# Altium PCB PCB1.PcbDoc (part 1 of 2) (continued)
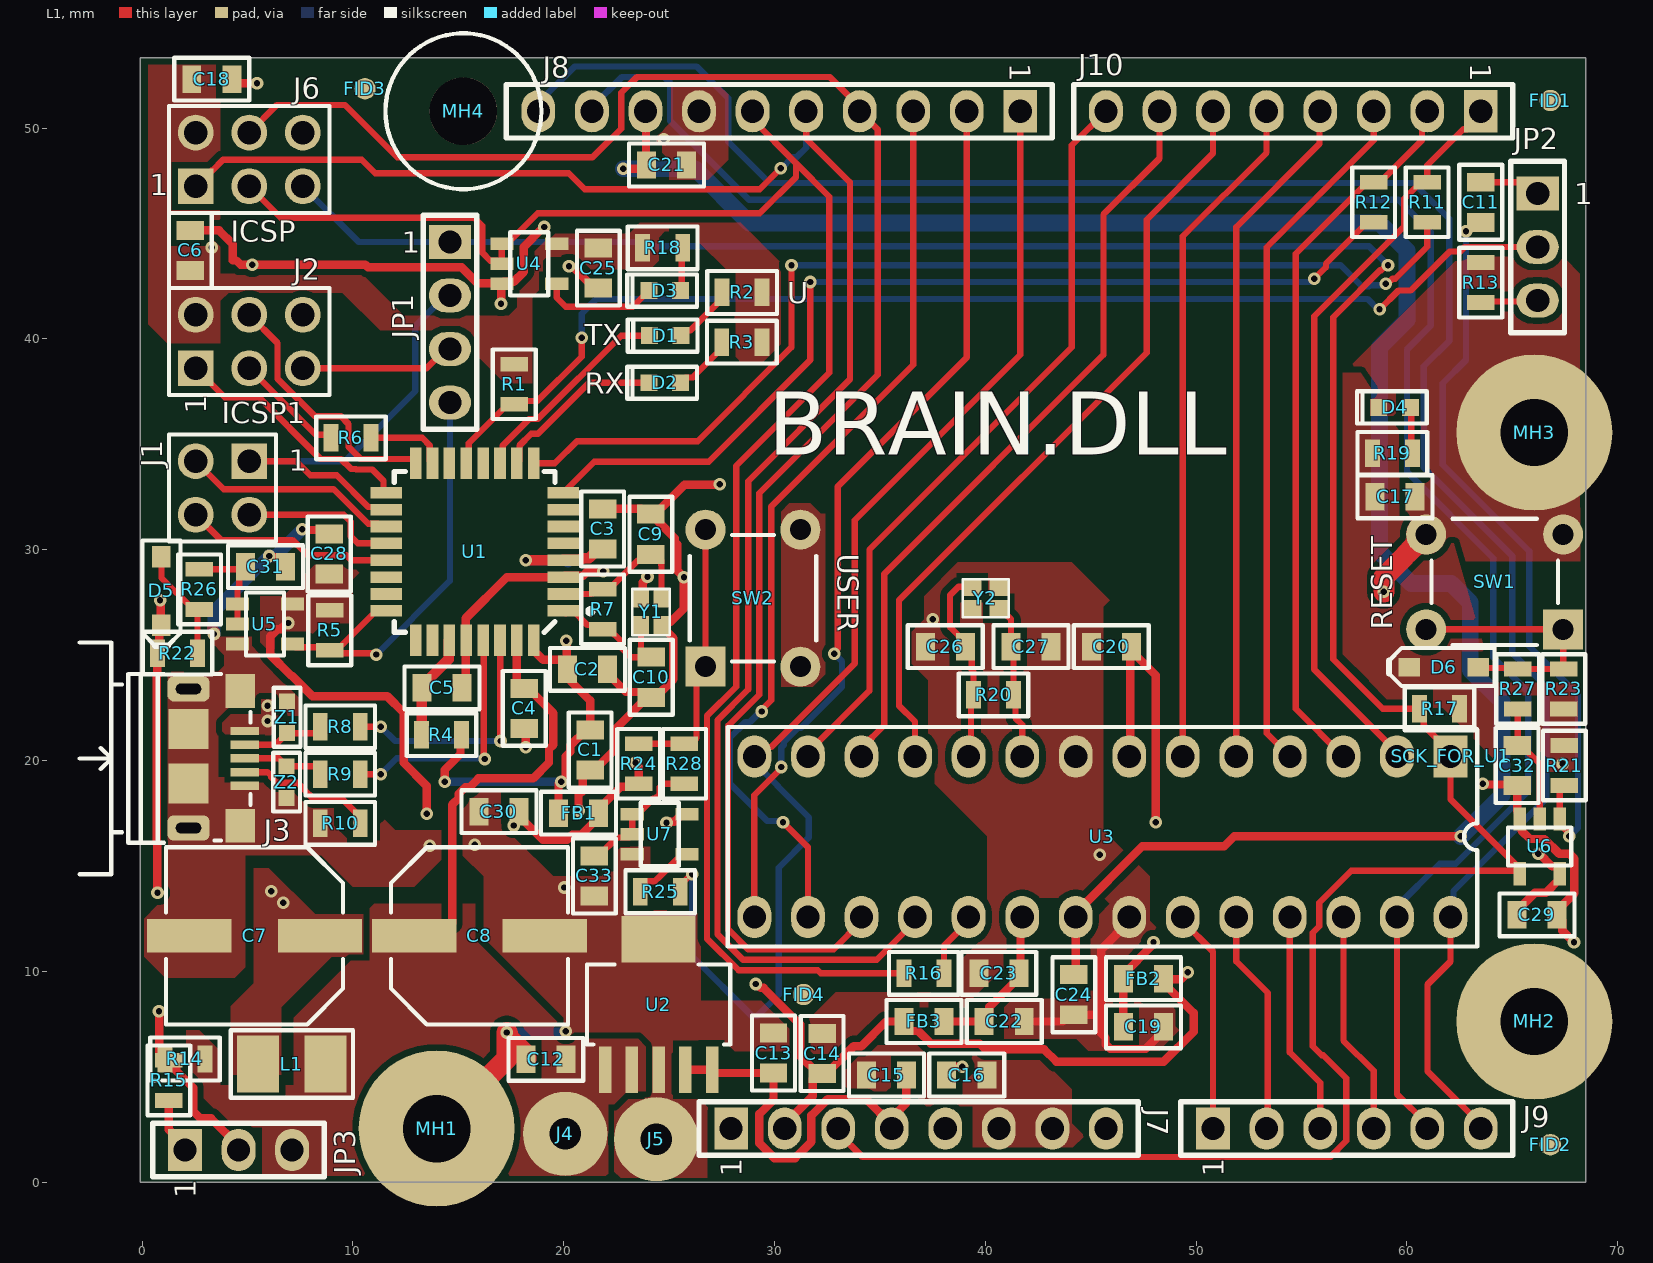
[diagram p0: L1 view]
## Part data (continued)
J2 J6: library part TSW-103-06-T-D, "SAMTEC         TSW-103-06-T-D             Board-To-Board Connector, Vertical, TSW Series, 6 Contacts, Header, 2.54 mm, Through Hole, 2 Rows", Color=Black, Manufacturer=Samtec, Max Current Rating=7.6A, Max Operating Temperature=105°C, Max Voltage Rating (AC)=550V, Min Operating Temperature=-55°C, Package Quantity=1, Supplier Part Number 1=TSW-103-06-T-D-ND, Category="Headers and Wire Housings", ComponentLink1Description=https://datasheet.ciiva.com/16722/htsw-th-16722934.pdf?src-supplier=Avnet+Europe, ComponentLink1URL=https://datasheet.ciiva.com/16722/htsw-th-16722934.pdf?src-supplier=Avnet+Europe, Connector Type="Male Pin", Contact Material=Bronze, Contact Mating Length=0.105inch, Contact Plating=Tin, Contact Type="Male Pin", Depth=5.08mm, Gender=Male, Housing Color=Black, Housing Material=Polyester, Lead Free="Lead Free", Length=7.62mm, Manufacturer Part Number=TSW-103-06-T-D, Mount="Through Hole", Number of Contacts=6, Number of Positions=6, Number of Rows=2, Orientation=Straight, Packaging=Bulk, Pitch=2.54mm, Pricing 1="1=0,50000, 10=0,42300, 100=0,32930, 500=0,28224, 1000=0,23520, 5000=0,20160, 10000=0,18816 (USD)", Radiation Hardening=No, REACH SVHC="No SVHC", RoHS=Yes, RoHS Compliant=Yes, Row Spacing=0.1inch, Series=TSW, Stock 1=1730, Supplier 1=Digi-Key, Termination=Solder, Width=5.08mm
J3: "CONN USB MICRO B RECPT SMT R/A", Manufacturer="Amphenol ICC / FCI", Supplier Part Number 1=609-4616-1-ND, Category="USB Connectors", ComponentLink1Description=http://components.arrow.com/part/dataview/0323_04107372?src-supplier=Arrow+Europe, ComponentLink1URL=http://components.arrow.com/part/dataview/0323_04107372?src-supplier=Arrow+Europe, ComponentLink2Description=http://uk.rs-online.com/webdocs/1450/0900766b814507f1.pdf?src-supplier=RSComponents, ComponentLink2URL=http://uk.rs-online.com/webdocs/1450/0900766b814507f1.pdf?src-supplier=RSComponents, ComponentLink3Description=https://cdn.amphenol-icc.com/media/wysiwyg/files/documentation/datasheet/inputoutput/io_usb_micro.pdf?src-supplier=Avnet, ComponentLink3URL=https://cdn.amphenol-icc.com/media/wysiwyg/files/documentation/datasheet/inputoutput/io_usb_micro.pdf?src-supplier=Avnet, ComponentLink4Description=https://cdn.amphenol-icc.com/media/wysiwyg/files/documentation/datasheet/inputoutput/io_usb_micro.pdf?src-supplier=Arrow+Electronics, ComponentLink4URL=https://cdn.amphenol-icc.com/media/wysiwyg/files/documentation/datasheet/inputoutput/io_usb_micro.pdf?src-supplier=Arrow+Electronics, ComponentLink5Description=https://cdn.amphenol-icc.com/media/wysiwyg/files/documentation/datasheet/inputoutput/io_usb_micro.pdf?src-supplier=Onlinecomponents.com, ComponentLink5URL=https://cdn.amphenol-icc.com/media/wysiwyg/files/documentation/datasheet/inputoutput/io_usb_micro.pdf?src-supplier=Onlinecomponents.com, ComponentLink6Description=https://cdn.amphenol-icc.com/media/wysiwyg/files/documentation/datasheet/inputoutput/io_usb_micro.pdf?src-supplier=Verical, ComponentLink6URL=https://cdn.amphenol-icc.com/media/wysiwyg/files/documentation/datasheet/inputoutput/io_usb_micro.pdf?src-supplier=Verical, ComponentLink7Description=http://www.amphenol-icc.com/media/wysiwyg/files/drawing/10118193.pdf?src-supplier=Digi-Key, ComponentLink7URL=http://www.amphenol-icc.com/media/wysiwyg/files/drawing/10118193.pdf?src-supplier=Digi-Key, ComponentLink8Description=https://cdn.amphenol-icc.com/media/wysiwyg/files/documentation/datasheet/inputoutput/io_usb_micro.pdf?src-supplier=Digi-Key, ComponentLink8URL=https://cdn.amphenol-icc.com/media/wysiwyg/files/documentation/datasheet/inputoutput/io_usb_micro.pdf?src-supplier=Digi-Key, ComponentLink9Description=https://cdn.amphenol-icc.com/media/wysiwyg/files/documentation/datasheet/inputoutput/io_usb_micro.pdf?src-supplier=Mouser, ComponentLink9URL=https://cdn.amphenol-icc.com/media/wysiwyg/files/documentation/datasheet/inputoutput/io_usb_micro.pdf?src-supplier=Mouser, ComponentLink10Description=https://cdn.amphenol-icc.com/media/wysiwyg/files/documentation/datasheet/inputoutput/io_usb_micro.pdf?src-supplier=Allied+Electronics, ComponentLink10URL=https://cdn.amphenol-icc.com/media/wysiwyg/files/documentation/datasheet/inputoutput/io_usb_micro.pdf?src-supplier=Allied+Electronics, ComponentLink11Description=https://cdn.amphenol-icc.com/media/wysiwyg/files/documentation/datasheet/inputoutput/io_usb_micro.pdf?src-supplier=RSComponents, ComponentLink11URL=https://cdn.amphenol-icc.com/media/wysiwyg/files/documentation/datasheet/inputoutput/io_usb_micro.pdf?src-supplier=RSComponents, ComponentLink12Description=https://cdn.amphenol-icc.com/media/wysiwyg/files/documentation/datasheet/inputoutput/io_usb_micro.pdf?src-supplier=TTI, ComponentLink12URL=https://cdn.amphenol-icc.com/media/wysiwyg/files/documentation/datasheet/inputoutput/io_usb_micro.pdf?src-supplier=TTI, ComponentLink13Description=https://cdn.amphenol-icc.com/media/wysiwyg/files/documentation/datasheet/inputoutput/io_usb_micro.pdf?src-supplier=TME, ComponentLink13URL=https://cdn.amphenol-icc.com/media/wysiwyg/files/documentation/datasheet/inputoutput/io_usb_micro.pdf?src-supplier=TME, ComponentLink14Description=https://cdn.amphenol-icc.com/media/wysiwyg/files/documentation/datasheet/inputoutput/io_usb_micro.pdf?src-supplier=Heilind+Electronics, ComponentLink14URL=https://cdn.amphenol-icc.com/media/wysiwyg/files/documentation/datasheet/inputoutput/io_usb_micro.pdf?src-supplier=Heilind+Electronics, Manufacturer Part Number=10118193-0001LF, Pricing 1="1=0,45000, 10=0,39700, 25=0,36240, 50=0,34120, 100=0,32700, 250=0,29856, 500=0,28434 (USD)", RoHS=No, Stock 1=217493, Supplier 1=Digi-Key
J4 J5: library part PAD_WITH_HOLE_4MMX1.5MM, "Pad with a hole 4mm x 1.5mm"
J7 J10: library part PPTC081LFBN-RC, "CONN HDR 8POS 0.1 TIN PCB", Color=Black, Manufacturer=Sullins, Package Quantity=1000, Supplier Part Number 1=S7006-ND, Category=Connectors, ComponentLink1Description=https://media.digikey.com/pdf/Data%20Sheets/Sullins%20PDFs/Female_Headers.100_DS.pdf?src-supplier=Digi-Key, ComponentLink1URL=https://media.digikey.com/pdf/Data%20Sheets/Sullins%20PDFs/Female_Headers.100_DS.pdf?src-supplier=Digi-Key, ComponentLink2Description=http://www.sullinscorp.com/catalogs/78_Page80-81_HEADER_.100_2.54mm_FEMALE.pdf?src-supplier=Future+Electronics, ComponentLink2URL=http://www.sullinscorp.com/catalogs/78_Page80-81_HEADER_.100_2.54mm_FEMALE.pdf?src-supplier=Future+Electronics, Connector Type=Header, Contact Material=Bronze, Contact Plating=Tin, Contact Type="Female Socket", Height=8.5mm, Housing Material=Plastic, Lead Free="Lead Free", Length=20.8mm, Manufacturer Part Number=PPTC081LFBN-RC, Mount="Through Hole", Number of Positions=8, Number of Rows=1, Packaging=Bulk, Pitch=0.1inch, Pricing 1="1=0,65000, 10=0,56500, 400=0,42525, 800=0,36450, 1200=0,33413, 5200=0,29363, 10000=0,29250 (USD)", RoHS=Yes, RoHS Compliant=Yes, Stock 1=76748, Supplier 1=Digi-Key, Termination=Solder, Width=2.5mm
J8: library part PPPC101LFBN-RC, "CONN HDR 10POS 0.1 GOLD PCB", Color=Black, Manufacturer=Sullins, Package Quantity=1000, Supplier Part Number 1=S7043-ND, Category=Connectors, ComponentLink1Description=https://media.digikey.com/pdf/Data%20Sheets/Sullins%20PDFs/Female_Headers.100_DS.pdf?src-supplier=Digi-Key, ComponentLink1URL=https://media.digikey.com/pdf/Data%20Sheets/Sullins%20PDFs/Female_Headers.100_DS.pdf?src-supplier=Digi-Key, ComponentLink2Description=http://www.sullinscorp.com/catalogs/78_Page80-81_HEADER_.100_2.54mm_FEMALE.pdf?src-supplier=Future+Electronics, ComponentLink2URL=http://www.sullinscorp.com/catalogs/78_Page80-81_HEADER_.100_2.54mm_FEMALE.pdf?src-supplier=Future+Electronics, Connector Type=Header,Socket, Contact Material=Bronze, Contact Plating=Gold, Height=8.5mm, Housing Material=Plastic, Lead Free="Lead Free", Length=25.9mm, Manufacturer Part Number=PPPC101LFBN-RC, Mount="Through Hole", Number of Positions=10, Number of Rows=1, Packaging=Bulk, Pitch=0.1inch, Pricing 1="1=0,68000, 10=0,57100, 80=0,51288, 440=0,41959, 1000=0,37296, 5000=0,33670 (USD)", RoHS=Yes, Stock 1=33225, Supplier 1=Digi-Key, Termination=Solder, Width=2.5mm
J9: library part PPPC061LFBN-RC, "CONN HDR 6POS 0.1 GOLD PCB", Color=Black, Manufacturer=Sullins, Package Quantity=1000, Supplier Part Number 1=S7039-ND, Category=Connectors, ComponentLink1Description=https://media.digikey.com/pdf/Data%20Sheets/Sullins%20PDFs/Female_Headers.100_DS.pdf?src-supplier=Digi-Key, ComponentLink1URL=https://media.digikey.com/pdf/Data%20Sheets/Sullins%20PDFs/Female_Headers.100_DS.pdf?src-supplier=Digi-Key, Connector Type=Header,Socket, Contact Material=Bronze, Contact Plating=Gold, Height=8.5mm, Housing Material=Plastic, Lead Free="Lead Free", Length=15.7mm, Manufacturer Part Number=PPPC061LFBN-RC, Mount="Through Hole", Number of Positions=6, Number of Rows=1, Packaging=Bulk, Pitch=0.1inch, Pricing 1="1=0,53000, 10=0,46500, 80=0,38300, 440=0,33300, 1000=0,27472, 5000=0,24142, 10000=0,24050 (USD)", RoHS=Yes, Stock 1=33601, Supplier 1=Digi-Key, Termination=Solder, Width=2.5mm
JP1: library part 68002-204HLF, "CONN HEADER 4POS .100 STR 15AU", Color=Black, Current Rating=3A, Manufacturer="Amphenol ICC / FCI", Max Operating Temperature=125°C, Max Voltage Rating (AC)=1.5kV, Min Operating Temperature=-65°C, Package Quantity=100, Supplier Part Number 1=609-3298-ND, Insulation Resistance=5GR, Category="Headers and Wire Housings", ComponentLink1Description=https://datasheet.ciiva.com/5163/68000-274406-5163449.pdf?src-supplier=Mouser, ComponentLink1URL=https://datasheet.ciiva.com/5163/68000-274406-5163449.pdf?src-supplier=Mouser, ComponentLink2Description=https://datasheet.ciiva.com/728/68000-728887.pdf?src-supplier=Digi-Key, ComponentLink2URL=https://datasheet.ciiva.com/728/68000-728887.pdf?src-supplier=Digi-Key, ComponentLink3Description=https://datasheet.ciiva.com/10149/68000-10149881.pdf?src-supplier=Avnet, ComponentLink3URL=https://datasheet.ciiva.com/10149/68000-10149881.pdf?src-supplier=Avnet, Connector Type="Male Pin", Contact Gender=Male, Contact Material=Bronze, Contact Mating Length=0.23inch, Contact Plating=Gold,GXT, Contact Post Length=3.81mm, Contact Type="Male Pin", Depth=2.41mm, Gender=Male, Housing Color=Black, Housing Material=Thermoplastic, Length=10.16mm, Manufacturer Part Number=68002-204HLF, Mount="Through Hole", Number of Contacts=4, Number of Positions=4, Number of Rows=1, Orientation=Straight, Packaging=Bulk, Pitch=2.54mm, Pricing 1="1=0,38000, 10=0,32200, 100=0,25080, 500=0,21498, 1000=0,17916, 5000=0,15356, 10000=0,14333 (USD)", Radiation Hardening=No, RoHS=Yes, RoHS Compliant=Yes, Series="BERGSTIK® II, MezzSelect™, Basics+", Stock 1=1822, Supplier 1=Digi-Key, Termination=Solder, Voltage Rating=1.5kV
JP2 JP3: library part PR20203VBNN, "METZ CONNECT - PR20203VBNN - CONNECTOR, HEADER, 3POS, 1ROW, 2.54MM", Manufacturer="METZ CONNECT", Supplier Part Number 1=1849-1003-ND, Category="Headers and Wire Housings", ComponentLink1Description=http://www.farnell.com/datasheets/2372088.pdf?src-supplier=Farnell, ComponentLink1URL=http://www.farnell.com/datasheets/2372088.pdf?src-supplier=Farnell, ComponentLink2Description=https://www.metz-connect.com/us/system/files/productfiles/Data_sheet_PR202XXVBNN_PR202XXVBNN_OFF-024022P.pdf?src-supplier=Digi-Key, ComponentLink2URL=https://www.metz-connect.com/us/system/files/productfiles/Data_sheet_PR202XXVBNN_PR202XXVBNN_OFF-024022P.pdf?src-supplier=Digi-Key, ComponentLink3Description=http://www.farnell.com/datasheets/2372088.pdf?src-supplier=Newark, ComponentLink3URL=http://www.farnell.com/datasheets/2372088.pdf?src-supplier=Newark, Manufacturer Part Number=PR20203VBNN, Pricing 1="1=0,10000, 10=0,05000, 100=0,03650, 500=0,03024, 1000=0,02646, 5000=0,02268, 10000=0,02205 (USD)", RoHS=No, Stock 1=23360, Supplier 1=Digi-Key
L1: library part L1210R2R2MDWIT, "FIXED IND 2.2UH 2A 80 MOHM SMD", Case Code (Metric)=3225, Case Code (Imperial)=1210, Current Rating=2A, DC Current=1.13A, DC Resistance (DCR)=80mR, Manufacturer=KEMET, Max Operating Temperature=105°C, Min Operating Temperature=-40°C, Package Quantity=1000, Resistor Type=Wirewound,Ceramic, Self Resonant Frequency=190MHz, Supplier Part Number 1=399-9598-1-ND, Test Frequency=100kHz, Tolerance=20%, Inductance=2.2uH, Case/Package=1210, Category="Fixed Inductors", ComponentLink1Description=https://datasheet.ciiva.com/4957/f3115-4957838.pdf?src-supplier=Mouser, ComponentLink1URL=https://datasheet.ciiva.com/4957/f3115-4957838.pdf?src-supplier=Mouser, ComponentLink2Description=https://datasheet.ciiva.com/6691/f3115-6691487.pdf?src-supplier=Digi-Key, ComponentLink2URL=https://datasheet.ciiva.com/6691/f3115-6691487.pdf?src-supplier=Digi-Key, ComponentLink3Description=https://datasheet.ciiva.com/8512/f3115-8512543.pdf?src-supplier=Avnet, ComponentLink3URL=https://datasheet.ciiva.com/8512/f3115-8512543.pdf?src-supplier=Avnet, ComponentLink4Description=https://datasheet.ciiva.com/17280/f3115-17280270.pdf?src-supplier=Avnet+Europe, ComponentLink4URL=https://datasheet.ciiva.com/17280/f3115-17280270.pdf?src-supplier=Avnet+Europe, ComponentLink5Description=https://datasheet.ciiva.com/22685/27262-22685038.pdf?src-supplier=Element14, ComponentLink5URL=https://datasheet.ciiva.com/22685/27262-22685038.pdf?src-supplier=Element14, Core Material=Ferrite, Depth=2.7mm, Height=2.5mm, Height - Seated (Max)=0.106inch, Length=0.126inch, Manufacturer Part Number=L1210R2R2MDWIT, Max DC Current=2A, Military Standard=Not, Mount="Surface Mount", Packaging="Tape and Reel", Pricing 1="1=0,50000, 10=0,43700, 25=0,40600, 50=0,34360, 100=0,31240, 250=0,29364, 500=0,26240 (USD)", Radiation Hardening=No, REACH SVHC="No SVHC", RoHS=Yes, RoHS Compliant=Yes, Series=L-DWI, Shielding=Unshielded, Stock 1=15679, Supplier 1=Digi-Key, Termination=SMD/SMT, Width=0.098inch, Inductance Tolerance=20%
MH1 MH2 MH3: "Mounting Hole 7.4 mm Diameter, 3.2 mm Drill"
MH4: library part MH_7.4MMNC_3.2MMD, "Mounting Hole 7.4 mm Diameter (Non Copper), 3.2 mm Drill NPTH"
R1: library part AC0805FR-07100KL, "Res Thick Film 0805 100K Ohm 1% 1/8W ±100ppm/°C Molded SMD SMD Paper T/R", Case Code (Metric)=2012, Case Code (Imperial)=0805, Manufacturer=Yageo, Max Operating Temperature=155°C, Max Power Dissipation=125mW, Min Operating Temperature=-55°C, Resistance=100kR, Resistor Type="Thick Film", Supplier Part Number 1=YAG3688CT-ND, Temperature Coefficient=100ppm/°C, Tolerance=1%, Voltage Rating=150V, Case/Package=0805, Category="Chip SMD Resistors", ComponentLink1Description=http://www.mouser.com/ds/2/447/yageodocoutput-1111992.pdf?src-supplier=Mouser, ComponentLink1URL=http://www.mouser.com/ds/2/447/yageodocoutput-1111992.pdf?src-supplier=Mouser, ComponentLink2Description=http://www.yageo.com/documents/recent/PYu-AC_51_RoHS_L_2_revised.pdf?src-supplier=Future+Electronics, ComponentLink2URL=http://www.yageo.com/documents/recent/PYu-AC_51_RoHS_L_2_revised.pdf?src-supplier=Future+Electronics, ComponentLink3Description=http://www.yageo.com/NewPortal/yageodocoutput?fileName=/pdf/R-Chip/PYu-AC_51_RoHS_L_6.pdf&src-supplier=Digi-Key, ComponentLink3URL=http://www.yageo.com/NewPortal/yageodocoutput?fileName=/pdf/R-Chip/PYu-AC_51_RoHS_L_6.pdf&src-supplier=Digi-Key, ComponentLink4Description=http://www.yageo.com/documents/recent/PYu-AC_51_RoHS_L_2_revised.pdf?src-supplier=Avnet+Europe, ComponentLink4URL=http://www.yageo.com/documents/recent/PYu-AC_51_RoHS_L_2_revised.pdf?src-supplier=Avnet+Europe, Contact Plating=Tin,Matte, Features="Moisture Resistant,Automotive AEC-Q200", Height=0.024inch, Lead Free="Lead Free", Length=0.079inch, Manufacturer Part Number=AC0805FR-07100KL, Number of Terminations=2, Packaging="Tape and Reel", Power Rating=125mW, Pricing 1="1=0,10000, 10=0,05000, 100=0,02040, 1000=0,00917, 2500=0,00796 (USD)", Radiation Hardening=No, RoHS=Yes, RoHS Compliant=Yes, Series=AC, Size Code=0805, Stock 1=19074, Supplier 1=Digi-Key, Termination=SMD/SMT, Width=0.049inch
R2 R3 R18 R19 R25: library part AC0805FR-07560RL, "Thick Film Resistors - SMD 1/8W 560ohm 1% AEC-Q200", Case Code (Metric)=2012, Case Code (Imperial)=0805, Manufacturer=Yageo, Max Operating Temperature=155°C, Max Power Dissipation=125mW, Min Operating Temperature=-55°C, Resistor Type="Thick Film", Supplier Part Number 1=YAG3743CT-ND, Temperature Coefficient=100ppm/°C, Tolerance=1%, Voltage Rating=150V, Case/Package=0805, Category="Chip SMD Resistors", ComponentLink1Description=https://datasheet.ciiva.com/12576/pyu-ac-51-rohs-l-2-12576701.pdf?src-supplier=Mouser, ComponentLink1URL=https://datasheet.ciiva.com/12576/pyu-ac-51-rohs-l-2-12576701.pdf?src-supplier=Mouser, Features="Moisture Resistant,Automotive AEC-Q200", Height=0.024inch, Length=0.079inch, Manufacturer Part Number=AC0805FR-07560RL, Number of Terminations=2, Packaging="Tape and Reel", Power Rating=125mW, Pricing 1="1=0,10000, 10=0,05000, 100=0,02040, 1000=0,00917, 2500=0,00796 (USD)", Resistance=560R, RoHS=Yes, RoHS Compliant=Yes, Series=AC, Stock 1=1319, Supplier 1=Digi-Key, Termination=SMD/SMT, Weight=0.000194oz, Width=0.049inch
R4 R10 R14 R15: library part RC0805FR-070RL, "Res Thick Film 0805 0 Ohm Epoxy Pad SMD T/R", Case Code (Metric)=2012, Case Code (Imperial)=0805, Manufacturer=Yageo, Max Operating Temperature=155°C, Max Power Dissipation=125mW, Min Operating Temperature=-55°C, Resistance=0mR, Resistor Type="Thick Film", Supplier Part Number 1=311-0.0CRCT-ND, Tolerance=1%, Case/Package=0805, Category="Chip SMD Resistors", ComponentLink1Description=https://datasheet.ciiva.com/17042/rc0805-17042698.pdf?src-supplier=Future+Electronics, ComponentLink1URL=https://datasheet.ciiva.com/17042/rc0805-17042698.pdf?src-supplier=Future+Electronics, ComponentLink2Description=https://datasheet.ciiva.com/15189/getdatasheetpartid-348154-15189885.pdf?src-supplier=Verical, ComponentLink2URL=https://datasheet.ciiva.com/15189/getdatasheetpartid-348154-15189885.pdf?src-supplier=Verical, Construction=Rectangular, Contact Plating=Tin,Matte, Depth=1.25mm, Features="Moisture Resistant", Lead Free="Lead Free", Length=2mm, Manufacturer Part Number=RC0805FR-070RL, Military Standard=Not, Number of Terminations=2, Packaging="Tape and Reel", Power Rating=125mW, Pricing 1="1=0,10000, 10=0,03200, 25=0,02360, 50=0,01780, 100=0,01320, 250=0,01004, 500=0,00802, 1000=0,00591 (USD)", Radiation Hardening=No, RoHS=Yes, RoHS Compliant=Yes, Series=RC, Size Code=0805, Stock 1=312891, Supplier 1=Digi-Key
R5 R17 R21 R22 R23 R24: library part SR0805JR-0710KL, "RES SMD 10K OHM 5% 1/8W 0805", Case Code (Metric)=2012, Case Code (Imperial)=0805, Manufacturer=Yageo, Max Operating Temperature=155°C, Max Power Dissipation=125mW, Min Operating Temperature=-55°C, Package Quantity=1, Resistance=10kR, Resistor Type="Thick Film", Supplier Part Number 1=13-SR0805JR-0710KLCT-ND, Temperature Coefficient=200ppm/°C, Tolerance=5%, Voltage Rating=150V, Case/Package=0805, Category="Chip SMD Resistors", ComponentLink1Description=https://datasheet.ciiva.com/2471/pyu-sr-20105-rohs-l-1-2471968.pdf?src-supplier=Digi-Key, ComponentLink1URL=https://datasheet.ciiva.com/2471/pyu-sr-20105-rohs-l-1-2471968.pdf?src-supplier=Digi-Key, ComponentLink2Description=https://datasheet.ciiva.com/5558/pyu-sr-20105-rohs-l-1-5558104.pdf?src-supplier=Mouser, ComponentLink2URL=https://datasheet.ciiva.com/5558/pyu-sr-20105-rohs-l-1-5558104.pdf?src-supplier=Mouser, Features="Automotive AEC-Q200", Height=0.024inch, Length=0.079inch, Manufacturer Part Number=SR0805JR-0710KL, Number of Terminations=2, Packaging="Tape and Reel", Power Rating=125mW, Pricing 1="1=0,25000, 10=0,21100, 100=0,08260, 1000=0,03458, 2500=0,03170 (USD)", RoHS=Yes, RoHS Compliant=Yes, Series=SR, Stock 1=9830, Supplier 1=Digi-Key, Termination=SMD/SMT, Width=0.049inch
R6 R8 R9 R16 R26 R27 R28: library part RC0805JR-0722RL, "Res Thick Film 0805 22 Ohm 5% 1/8W 100ppm/C Molded SMD SMD Paper T/R", Case Code (Metric)=2012, Case Code (Imperial)=0805, Manufacturer=Yageo, Max Operating Temperature=155°C, Min Operating Temperature=-55°C, Power Rating=125mW, Resistor Type="Thick Film", Supplier Part Number 1=311-22ARCT-ND, Temperature Coefficient=100ppm/°C, Tolerance=5%, Voltage Rating=150V, Case/Package=0805, Category="Chip SMD Resistors", ComponentLink1Description=http://www.mouser.com/ds/2/447/Yageo_08112016_RC0805-968729.pdf?src-supplier=Mouser, ComponentLink1URL=http://www.mouser.com/ds/2/447/Yageo_08112016_RC0805-968729.pdf?src-supplier=Mouser, ComponentLink2Description=http://www.farnell.com/datasheets/2167052.pdf?src-supplier=Farnell, ComponentLink2URL=http://www.farnell.com/datasheets/2167052.pdf?src-supplier=Farnell, ComponentLink3Description=http://components.arrow.com/part/dataview/0323_00047573?src-supplier=Arrow+Europe, ComponentLink3URL=http://components.arrow.com/part/dataview/0323_00047573?src-supplier=Arrow+Europe, ComponentLink4Description=http://www.farnell.com/datasheets/444164.pdf?src-supplier=Farnell, ComponentLink4URL=http://www.farnell.com/datasheets/444164.pdf?src-supplier=Farnell, ComponentLink5Description=http://www.yageo.ru/pdf/RC0805.pdf?src-supplier=Future+Electronics, ComponentLink5URL=http://www.yageo.ru/pdf/RC0805.pdf?src-supplier=Future+Electronics, ComponentLink6Description=http://www.yageo.com/documents/recent/PYu-RC_Group_51_RoHS_L_10.pdf?src-supplier=Digi-Key, ComponentLink6URL=http://www.yageo.com/documents/recent/PYu-RC_Group_51_RoHS_L_10.pdf?src-supplier=Digi-Key, ComponentLink7Description=http://www.farnell.com/datasheets/442941.pdf?src-supplier=Element14, ComponentLink7URL=http://www.farnell.com/datasheets/442941.pdf?src-supplier=Element14, ComponentLink8Description=http://www.yageo.com/documents/recent/PYu-RC_Group_51_RoHS_L_9.pdf?src-supplier=Digi-Key, ComponentLink8URL=http://www.yageo.com/documents/recent/PYu-RC_Group_51_RoHS_L_9.pdf?src-supplier=Digi-Key, ComponentLink9Description=http://www.yageo.com/pdf/PYu-RC0805_51_RoHS_L_4.pdf?src-supplier=Avnet, ComponentLink9URL=http://www.yageo.com/pdf/PYu-RC0805_51_RoHS_L_4.pdf?src-supplier=Avnet, ComponentLink10Description=http://www.farnell.com/datasheets/444164.pdf?src-supplier=Element14, ComponentLink10URL=http://www.farnell.com/datasheets/444164.pdf?src-supplier=Element14, ComponentLink11Description=http://www.farnell.com/datasheets/2167052.pdf?src-supplier=Newark, ComponentLink11URL=http://www.farnell.com/datasheets/2167052.pdf?src-supplier=Newark, ComponentLink12Description=http://www.yageo.com/documents/recent/PYu-RC0805_51_RoHS_L_5.pdf?src-supplier=Avnet+Europe, ComponentLink12URL=http://www.yageo.com/documents/recent/PYu-RC0805_51_RoHS_L_5.pdf?src-supplier=Avnet+Europe, Contact Plating=Tin,Matte,Lead, Depth=1.25mm, Lead Free="Lead Free", Length=2mm, Manufacturer Part Number=RC0805JR-0722RL, Military Standard=Not, Packaging="Tape and Reel", Pricing 1="1=0,10000, 10=0,03600, 100=0,01450, 1000=0,00652, 2500=0,00566 (USD)", Radiation Hardening=No, REACH SVHC=Unknown, Resistance=22R, RoHS=Yes, Stock 1=938662, Supplier 1=Digi-Key, Termination=SMD/SMT
R7 R20: library part RV0805FR-071ML, "RES SMD 1M OHM 1% 1/8W 0805", Case Code (Metric)=2012, Case Code (Imperial)=0805, Manufacturer=Yageo, Max Operating Temperature=155°C, Max Power Dissipation=125mW, Min Operating Temperature=-55°C, Package Quantity=1, Resistance=1MR, Resistor Type="Thick Film", Supplier Part Number 1=311-1MNGCT-ND, Temperature Coefficient=200ppm/°C, Tolerance=1%, Voltage Rating=400V, Case/Package=0805, Category="Chip SMD Resistors", ComponentLink1Description=https://datasheet.ciiva.com/5558/pyu-rv-51-rohs-l-2-5558239.pdf?src-supplier=Mouser, ComponentLink1URL=https://datasheet.ciiva.com/5558/pyu-rv-51-rohs-l-2-5558239.pdf?src-supplier=Mouser, Features="Moisture Resistant", Height=0.024inch, Lead Free="Lead Free", Length=0.079inch, Manufacturer Part Number=RV0805FR-071ML, Number of Terminations=2, Packaging="Tape and Reel", Power Rating=125mW, Pricing 1="1=0,53000, 10=0,38100, 100=0,15240, 1000=0,07511, 2500=0,06959 (USD)", RoHS=Yes, RoHS Compliant=Yes, Series=RV, Stock 1=4797, Supplier 1=Digi-Key, Termination=SMD/SMT, Width=0.049inch
R11 R12 R13: library part AC0805FR-071KL, "RES SMD 1K OHM 1% 1/8W 0805", Case Code (Metric)=2012, Case Code (Imperial)=0805, Manufacturer=Yageo, Max Operating Temperature=155°C, Max Power Dissipation=125mW, Min Operating Temperature=-55°C, Resistance=1kR, Resistor Type="Thick Film", Supplier Part Number 1=YAG3703CT-ND, Temperature Coefficient=100ppm/°C, Tolerance=1%, Voltage Rating=150V, Case/Package=0805, Category="Chip SMD Resistors", ComponentLink1Description=https://datasheet.ciiva.com/26829/getdatasheetpartid-732555-26829222.pdf?src-supplier=Verical, ComponentLink1URL=https://datasheet.ciiva.com/26829/getdatasheetpartid-732555-26829222.pdf?src-supplier=Verical, Construction=Rectangular, Depth=1.25mm, Features="Moisture Resistant,Automotive AEC-Q200", Height=0.024inch, Lead Free="Lead Free", Length=2mm, Manufacturer Part Number=AC0805FR-071KL, Military Standard=Not, Number of Terminations=2, Packaging="Tape and Reel", Power Rating=125mW, Pricing 1="1=0,10000, 10=0,05000, 100=0,02040, 1000=0,00917, 2500=0,00796 (USD)", RoHS=Yes, RoHS Compliant=Yes, Series=AC, Stock 1=146950, Supplier 1=Digi-Key, Termination=SMD/SMT, Width=1.25mm
SCK_FOR_U1: library part 4828-3004-CP, "CONN IC DIP SOCKET 28POS TIN", Current Rating=1A, Manufacturer=3M, Max Operating Temperature=85°C, Min Operating Temperature=-25°C, Package Quantity=5600, Supplier Part Number 1=3M5480-ND, Insulation Resistance=5GR, Category=Connectors, ComponentLink1Description=https://datasheet.ciiva.com/768/ts1099-768354.pdf?src-supplier=Digi-Key, ComponentLink1URL=https://datasheet.ciiva.com/768/ts1099-768354.pdf?src-supplier=Digi-Key, Connector Type=DIP,Socket, Contact Material=Bronze, Contact Plating=Tin, Depth=5.08mm, Gender=Female, Housing Material=Glass, Lead Free="Lead Free", Length=35.43mm, Manufacturer Part Number=4828-3004-CP, Mount="Through Hole", Number of Contacts=28, Number of Positions=28, Number of Rows=2, Orientation=Straight, Pitch=2.54mm, Pricing 1="1=0,90000, 10=0,76200, 25=0,73040, 40=0,71500, 80=0,68388, 230=0,62174, 440=0,55959, 945=0,49741, 2400=0,45078 (USD)", REACH SVHC=Unknown, RoHS=Yes, Row Spacing=7.62mm, Stock 1=3763, Supplier 1=Digi-Key, Termination=Solder, Width=10.16mm
SW1 SW2: "6X6, H5,  160G TAC.SWITCH", Actuator Color=Black, Contact Current Rating=50mA, Contact Resistance=100mR, Manufacturer="TE Connectivity Alcoswitch", Max Operating Temperature=85°C, Max Voltage Rating (DC)=24V, Min Operating Temperature=-35°C, Operating Force=160gf, Package Quantity=750, Supplier Part Number 1=450-1650-ND, Actuator Length=0.055inch, Actuator Material=PBT, Actuator Type=Standard, Category="Pushbutton Switches", ComponentLink1Description=https://datasheet.ciiva.com/30199/1825910-6rqpn1825910-6-30199520.pdf?src-supplier=Onlinecomponents.com, ComponentLink1URL=https://datasheet.ciiva.com/30199/1825910-6rqpn1825910-6-30199520.pdf?src-supplier=Onlinecomponents.com, ComponentLink2Description=https://datasheet.ciiva.com/15184/getdatasheetpartid-395915-15184509.pdf?src-supplier=Verical, ComponentLink2URL=https://datasheet.ciiva.com/15184/getdatasheetpartid-395915-15184509.pdf?src-supplier=Verical, Contact Material="Copper Alloy", Contact Plating=Silver, Electrical Life=100000Cycles, ELV=Compliant, Lead Free="Lead Free", Length=5.99mm, Manufacturer Part Number=1825910-6, Max Current Rating=50mA, Mechanical Life=100000Cycles, Mount="Through Hole", Orientation=Straight, Packaging="Loose Piece", Pricing 1="1=0,11000, 10=0,11100, 25=0,10520, 100=0,09550, 250=0,08980, 500=0,08216, 1000=0,06879, 2500=0,06688, 5000=0,06306 (USD)", REACH SVHC=Unknown, RoHS=Yes, RoHS Compliant=Yes, Series=FSMJ, Stock 1=138465, Supplier 1=Digi-Key, Switch Function=Off-Mom, Switch Travel=0.25mm, Termination="PC Pins", Throw Configuration=SPST, Type=Switch, Illumination Type=Non-Illuminated,Illuminated
U1: "MICROCHIP - ATMEGA16U2-AU - MCU, 8BIT, MEGAAVR, 16MHZ, TQFP-32", Case/Package=A, Frequency=16MHz, Manufacturer="Microchip / Atmel", Max Operating Temperature=85°C, Max Supply Voltage=5.5V, Min Operating Temperature=-40°C, Min Supply Voltage=2.7V, Package Quantity=1250, Category=Microcontrollers, ComponentLink1Description=https://datasheet.ciiva.com/13036/doc7799-28769-13036800.pdf?src-supplier=Mouser, ComponentLink1URL=https://datasheet.ciiva.com/13036/doc7799-28769-13036800.pdf?src-supplier=Mouser, ComponentLink2Description=https://datasheet.ciiva.com/22651/doc7799-22651110.pdf?src-supplier=Farnell, ComponentLink2URL=https://datasheet.ciiva.com/22651/doc7799-22651110.pdf?src-supplier=Farnell, Contact Plating=Tin,Matte, Core Architecture=AVR, Data Bus Width=8b, Height=1.05mm, Lead Free="Lead Free", Length=7mm, Manufacturer Part Number=ATMEGA16U2-AU, Max Frequency=16MHz, Memory Size=16KB, Memory Type=FLASH, Mount="Surface Mount", Number of Pins=32, Number of Programmable I/O=22, Number of PWM Channels=5, Number of SPI Channels=1, Number of Timers/Counters=2, Number of I/Os=22, Oscillator Type=Internal, Packaging=Tray, Peripherals="Brown-out Detect/Reset,POR,PWM,WDT", RAM Size=512B, REACH SVHC="No SVHC", RoHS=Yes, RoHS Compliant=Yes, Series="AVR® ATmega", Supplier 1="Arrow Electronics", Supplier Part Number 1=ATMEGA16U2-AU, Watchdog Timer=Yes, Width=7mm, Interface=SPI,UART,USB,USART,Serial
U2: "Single Output LDO, 1.5A, 3.3V Fast Trans", Case/Package=SOT-223, Dropout Voltage=340mV, Manufacturer="Texas Instruments", Max Operating Temperature=125°C, Max Output Current=1.5A, Max Output Voltage=3.3V, Max Input Voltage=20V, Min Current Limit=1.6A, Min Operating Temperature=-40°C, Min Input Voltage=2.1V, Package Quantity=250, Power Supply Rejection Ratio (PSRR)=63dB, Quiescent Current=1mA, Supplier Part Number 1=296-32342-1-ND, Accuracy=3%, Category="Voltage Regulators - Linear", ComponentLink1Description=https://datasheet.ciiva.com/14279/tl1963a-33-14279286.pdf?src-supplier=Avnet, ComponentLink1URL=https://datasheet.ciiva.com/14279/tl1963a-33-14279286.pdf?src-supplier=Avnet, ComponentLink2Description=https://datasheet.ciiva.com/6591/tl1963a-6591431.pdf?src-supplier=Digi-Key, ComponentLink2URL=https://datasheet.ciiva.com/6591/tl1963a-6591431.pdf?src-supplier=Digi-Key, ComponentLink3Description=https://datasheet.ciiva.com/26176/tl1963a-25-26176573.pdf?src-supplier=Avnet+Europe, ComponentLink3URL=https://datasheet.ciiva.com/26176/tl1963a-25-26176573.pdf?src-supplier=Avnet+Europe, ComponentLink4Description=https://datasheet.ciiva.com/6591/tl1963a-6591406.pdf?src-supplier=Digi-Key, ComponentLink4URL=https://datasheet.ciiva.com/6591/tl1963a-6591406.pdf?src-supplier=Digi-Key, ComponentLink5Description=https://datasheet.ciiva.com/6591/tl1963a-6591407.pdf?src-supplier=Digi-Key, ComponentLink5URL=https://datasheet.ciiva.com/6591/tl1963a-6591407.pdf?src-supplier=Digi-Key, Contact Plating=Gold, Lead Free="Lead Free", Manufacturer Part Number=TL1963A-33DCQT, Min Output Voltage=3.3V, Number of Outputs=1, Number of Pins=6, Number of Regulators=1, Output Current=1.5A, Output Type=Fixed, Output Voltage=3.3V, Packaging="Tape and Reel", Polarity=Positive, Pricing 1="1=4,08000, 10=3,66600, 25=3,46560, 100=3,00340 (USD)", Radiation Hardening=No, RoHS=Yes, RoHS Compliant=Yes, Series=-, Stock 1=528, Supplier 1=Digi-Key
U3: "IC MCU 8BIT 32KB FLASH 28DIP", Case/Package=PDIP, Frequency=20MHz, Manufacturer="Microchip / Atmel", Max Operating Temperature=85°C, Max Supply Voltage=5.5V, Min Operating Temperature=-40°C, Min Supply Voltage=1.8V, Package Quantity=14, Supplier Part Number 1=70332157, Category=Microcontrollers, ComponentLink1Description=https://datasheet.ciiva.com/19457/2139111-19457070.pdf?src-supplier=Jameco, ComponentLink1URL=https://datasheet.ciiva.com/19457/2139111-19457070.pdf?src-supplier=Jameco, ComponentLink2Description=https://datasheet.ciiva.com/1157/1684409-1157696.pdf?src-supplier=Element14, ComponentLink2URL=https://datasheet.ciiva.com/1157/1684409-1157696.pdf?src-supplier=Element14, ComponentLink3Description=https://datasheet.ciiva.com/20168/73-4283-20168380.pdf?src-supplier=Rapid+Electronics, ComponentLink3URL=https://datasheet.ciiva.com/20168/73-4283-20168380.pdf?src-supplier=Rapid+Electronics, ComponentLink4Description=https://datasheet.ciiva.com/29119/155197-da-01-en-microcontr-atmega328p-pu-8bit-pdip-28-29119593.pdf?src-supplier=Conrad, ComponentLink4URL=https://datasheet.ciiva.com/29119/155197-da-01-en-microcontr-atmega328p-pu-8bit-pdip-28-29119593.pdf?src-supplier=Conrad, ComponentLink5Description=https://datasheet.ciiva.com/26818/atmega328p-pu-26818578.pdf?src-supplier=IIIC, ComponentLink5URL=https://datasheet.ciiva.com/26818/atmega328p-pu-26818578.pdf?src-supplier=IIIC, ComponentLink6Description=https://datasheet.ciiva.com/15213/getdatasheetpartid-318533-15213133.pdf?src-supplier=Verical, ComponentLink6URL=https://datasheet.ciiva.com/15213/getdatasheetpartid-318533-15213133.pdf?src-supplier=Verical, Contact Plating=Tin,Matte, Core Architecture=AVR, Data Bus Width=8b, Height=3.28mm, Lead Free="Lead Free", Length=37.4mm, Manufacturer Part Number=ATMEGA328P-PU, Max Frequency=20MHz, Memory Size=32KB, Memory Type=FLASH, Mount="Through Hole", Number of ADC Channels=6, Number of Pins=28, Number of Programmable I/O=23, Number of PWM Channels=6, Number of SPI Channels=1, Number of Timers/Counters=3, Number of I2C Channels=1, Number of I/Os=23, Oscillator Type=Internal, Packaging=Rail/Tube, Peripherals="Brown-out Detect/Reset,POR,PWM,WDT", Radiation Hardening=No, RAM Size=2KB, REACH SVHC="No SVHC", RoHS=Yes, RoHS Compliant=Yes, Series="AVR® ATmega", Supplier=Ozdisan, Supplier 1="Allied Electronics", Watchdog Timer=Yes, Width=6.76mm, Interface=I2C,SPI,UART,USART,2-Wire
U4 U5 U6 U7: "LOGIC, 74AUC1G, AND GATE, SOT23-5", Case/Package=SOT-23, High Level Output Current=-9mA, Low Level Output Current=9mA, Manufacturer="Texas Instruments", Max Operating Temperature=85°C, Max Supply Voltage=2.7V, Min Operating Temperature=-40°C, Min Supply Voltage=800mV, Package Quantity=3000, Quiescent Current=10uA, Supplier Part Number 1=296-13170-1-ND, Category="Logic Gates", ComponentLink1Description=https://datasheet.ciiva.com/4216/1146sn74auc1g08-4216507.pdf?src-supplier=Arrow+Electronics, ComponentLink1URL=https://datasheet.ciiva.com/4216/1146sn74auc1g08-4216507.pdf?src-supplier=Arrow+Electronics, ComponentLink2Description=https://datasheet.ciiva.com/6124/1775236-6124395.pdf?src-supplier=Farnell, ComponentLink2URL=https://datasheet.ciiva.com/6124/1775236-6124395.pdf?src-supplier=Farnell, ComponentLink3Description=https://datasheet.ciiva.com/23844/1634288-23844654.pdf?src-supplier=Newark, ComponentLink3URL=https://datasheet.ciiva.com/23844/1634288-23844654.pdf?src-supplier=Newark, ComponentLink4Description=https://datasheet.ciiva.com/1864/sn74auc1g08-1864662.pdf?src-supplier=Digi-Key, ComponentLink4URL=https://datasheet.ciiva.com/1864/sn74auc1g08-1864662.pdf?src-supplier=Digi-Key, ComponentLink5Description=https://datasheet.ciiva.com/1864/sn74auc1g08-1864663.pdf?src-supplier=Digi-Key, ComponentLink5URL=https://datasheet.ciiva.com/1864/sn74auc1g08-1864663.pdf?src-supplier=Digi-Key, ComponentLink6Description=https://datasheet.ciiva.com/1864/sn74auc1g08-1864664.pdf?src-supplier=Digi-Key, ComponentLink6URL=https://datasheet.ciiva.com/1864/sn74auc1g08-1864664.pdf?src-supplier=Digi-Key, ComponentLink7Description=https://datasheet.ciiva.com/14292/sn74auc1g08-14292269.pdf?src-supplier=Avnet, ComponentLink7URL=https://datasheet.ciiva.com/14292/sn74auc1g08-14292269.pdf?src-supplier=Avnet, Contact Plating=Gold, Height=1.3mm, Lead Free="Lead Free", Length=3.05mm, Logic Function="AND GATE", Manufacturer Part Number=SN74AUC1G08DBVR, Max Output Current=9mA, Mount="Surface Mount", Number of Bits=1, Number of Circuits=1, Number of Elements=1, Number of Gates=1, Number of Output Lines=1, Number of Outputs=1, Number of Pins=5, Number of Input Lines=2, Number of Inputs=2, Output Current=9mA, Packaging="Tape and Reel", Pricing 1="1=0,43000, 10=0,34900, 25=0,31920, 100=0,23740, 250=0,21520, 500=0,17808, 1000=0,13356 (USD)", Propagation Delay=2ns, Radiation Hardening=No, REACH SVHC="No SVHC", RoHS=Yes, RoHS Compliant=Yes, Schmitt Trigger Input=No, Series=74AUC, Stock 1=21198, Supplier 1=Digi-Key, Technology=CMOS, Termination=SMD/SMT, Turn-On Delay Time=2.4ns, Weight=0.000395oz, Width=1.75mm, Input Type=DIFFERENTIAL
Y1 Y2: "Iot Optimized 16MHZ 8PF Crystal", Manufacturer=Abracon, Supplier Part Number 1=535-13813-1-ND, Category=Crystals, ComponentLink1Description=https://abracon.com/Resonators/ABM11W.pdf?src-supplier=Digi-Key, ComponentLink1URL=https://abracon.com/Resonators/ABM11W.pdf?src-supplier=Digi-Key, Manufacturer Part Number=ABM11W-16.0000MHZ-8-B1U-T3, Pricing 1="1=0,75000, 10=0,66200, 50=0,61920, 100=0,54720, 500=0,51840, 1000=0,43200 (USD)", RoHS=Yes, RoHS Compliant=Yes, Stock 1=1980, Supplier 1=Digi-Key
Z1 Z2: "ESD Suppressor TVS Bi-Dir 5V Automotive 2-Pin Case 0603(1608Metric) T/R", Capacitance=0.2pF, Case Code (Metric)=1608, Case Code (Imperial)=0603, Clamping Voltage=30V, Current Rating=5nA, Leakage Current=10nA, Manufacturer=Bourns, Max Operating Temperature=125°C, Max Voltage Rating (DC)=5V, Min Operating Temperature=-55°C, Package Quantity=5000, Supplier Part Number 1=CGA0603MLC-05ECT-ND, Case/Package=0603, Category=Varistors, ComponentLink1Description=https://datasheet.ciiva.com/24142/bourns-cga-mlc-280156-24142144.pdf?src-supplier=Mouser, ComponentLink1URL=https://datasheet.ciiva.com/24142/bourns-cga-mlc-280156-24142144.pdf?src-supplier=Mouser, ComponentLink2Description=https://datasheet.ciiva.com/30479/0900766b81295add-30479028.pdf?src-supplier=RSComponents, ComponentLink2URL=https://datasheet.ciiva.com/30479/0900766b81295add-30479028.pdf?src-supplier=RSComponents, ComponentLink3Description=https://datasheet.ciiva.com/28475/1772768-28475109.pdf?src-supplier=Element14, ComponentLink3URL=https://datasheet.ciiva.com/28475/1772768-28475109.pdf?src-supplier=Element14, ComponentLink4Description=https://datasheet.ciiva.com/30009/cga-mlc-30009944.pdf?src-supplier=Avnet, ComponentLink4URL=https://datasheet.ciiva.com/30009/cga-mlc-30009944.pdf?src-supplier=Avnet, Contact Plating=Tin, Depth=0.85mm, Direction=Bidirectional, Element Configuration=Single, ESD Protection=Yes, Height=0.51mm, Length=1.6mm, Manufacturer Part Number=CGA0603MLC-05E, Max Reverse Leakage Current=5nA, Mount="Surface Mount", Number of Circuits=1, Number of Pins=2, Operating Supply Voltage=5V, Packaging="Tape and Reel", Pricing 1="1=0,58000, 10=0,45400, 25=0,38280, 100=0,31150, 250=0,25808, 500=0,21360, 1000=0,16020, 2500=0,14685 (USD)", Radiation Hardening=No, REACH SVHC="No SVHC", RoHS=Yes, RoHS Compliant=Yes, Stock 1=6992, Supplier 1=Digi-Key, Termination=SMD/SMT, Voltage Rating (DC)=5V, Width=0.85mm, Working Voltage=5V

## Via types
v1: diameter 0.6, hole 0.3, L1 to L2, tented both sides, 66 vias
v2: diameter 0.6/0.6 (per signal layer), hole 0.3, L1 to L2, tented both sides, 5 vias

## Nets (pads, with @x,y where several pads share a name; then routed paths per layer and width w, separated by ;. In a path a pad name is that pad's centre, name@x,y a point inside that pad or via, vN(x,y) a via of type N, cw(c..) or ccw(c..) an arc to the next point about the centre after c; other vN are vias at no path point)
3V3: C13.2 C15.2 J7.4 JP3.1 R15.2 U2.4 U2.5 | length 22.3
  L1 w0.4: R15.2@1.27,3.876 1.27,2.486 2.032,1.724 JP3.1@2.032,1.524 ; U2.4@25.77,5.325 U2.5@27.04,5.325 27.04,5.275 27.14,5.175 C13.2@29.95,5.175 29.95,3.907 29.28,3.237 29.28,1.843 29.983,1.14 30.977,1.14 31.75,1.913 31.75,3.167 32.523,3.94 34.34,3.94 J7.4@35.56,2.72 ; J7.4@35.56,2.54 J7.4@35.56,2.72 ; C15.2@36.256,5.08 36.256,3.761 35.56,3.065 J7.4@35.56,2.72
3V3_16U2_UCAP: C5.2 R4.1 U1.27 | length 5.1
  L1 w0.5: R4.1@13.25,21.225 13.263,21.237 13.263,23.437 C5.2@13.275,23.45 13.275,23.65 13.475,23.85 13.586,23.85 14.55,24.814 14.55,25.675 U1.27@14.575,25.7
5/3V3_16U2: C1.2 C2.2 C3.2 FB1.2 R4.2 U1.4 U1.32 | length 24.6
  L1 w0.4: v1(14.35,19) 14.35,19.55 15.1,20.3 15.1,21.175 R4.2@15.15,21.225 ; U1.32@18.575,25.225 19.025,24.775 19.925,24.775 20.15,24.55 v1@20.15,25.65 ; FB1.2@19.75,17.5 v1@19.75,18.925 ; v1(19.875,19) 20.1,19.225 20.1,20.207 20.3,20.407 20.3,20.7 C1.2@21.05,21.45 ; C2.2@20.175,24.325 20.325,24.175 20.325,23.775 21.25,22.85 C1.2@21.25,21.45
  L1 w0.5: v1(18.2,29.5) U1.4@19.975,29.5 ; U1.4@19.975,29.525 20.756,29.525 20.806,29.575 20.911,29.575 20.926,29.59 21.196,29.59 21.644,30.038 C3.2@21.844,30.038
  L2 w0.4: v1(14.35,19) v1(19.875,19)
  L2 w0.5: v1(18.2,29.5) 20.1,29.5 20.2,29.4
  other v1: 20.125,25.675
5/3V3_328P_AVCC: C22.2 C23.2 FB3.2 U3.20 | length 7.6
  L1 w0.4: FB3.2@38.034,7.62 C22.2@39.944,7.62 40.194,7.87 40.194,8.31 41.59,9.706 C23.2@41.59,9.906 41.667,9.983 41.667,12.495 U3.20@41.745,12.573
5/3V3_328P_VCC: C19.2 C20.2 FB2.2 U3.7 | length 18.6
  L1 w0.4: C19.2@46.548,7.366 FB2.2@46.548,9.652 46.548,9.852 47.937,11.241 47.937,11.337 v1(47.975,11.375) ; U3.7@46.825,20.193 46.874,20.242 46.874,25.35 C20.2@46.924,25.4 46.924,25.2 48.075,24.049 v1(48.075,17.075)
5V: C4.2 C8.1 C12.2 C16.2 J4.1 J7.5 JP3.3 L1.2 R14.1 U1.31 U2.1 U2.2 | length 18.3
  L1 w0.4: C8.1@14.702,12.284 14.702,17.902 15.025,18.225 15.025,18.432 15.318,18.725 15.525,18.725 15.95,19.15 18.55,19.15 19.3,19.9 19.3,20.538 19.5,20.738 19.5,22.25 C4.2@18.325,23.425 ; C4.2@17.775,23.675 U1.31@17.775,25.7 ; C16.2@38.166,5.08 38.166,5.225 38.416,5.475 v1(38.9,5.475)